# KiCad board keyball61_right.kicad_pcb (continued)
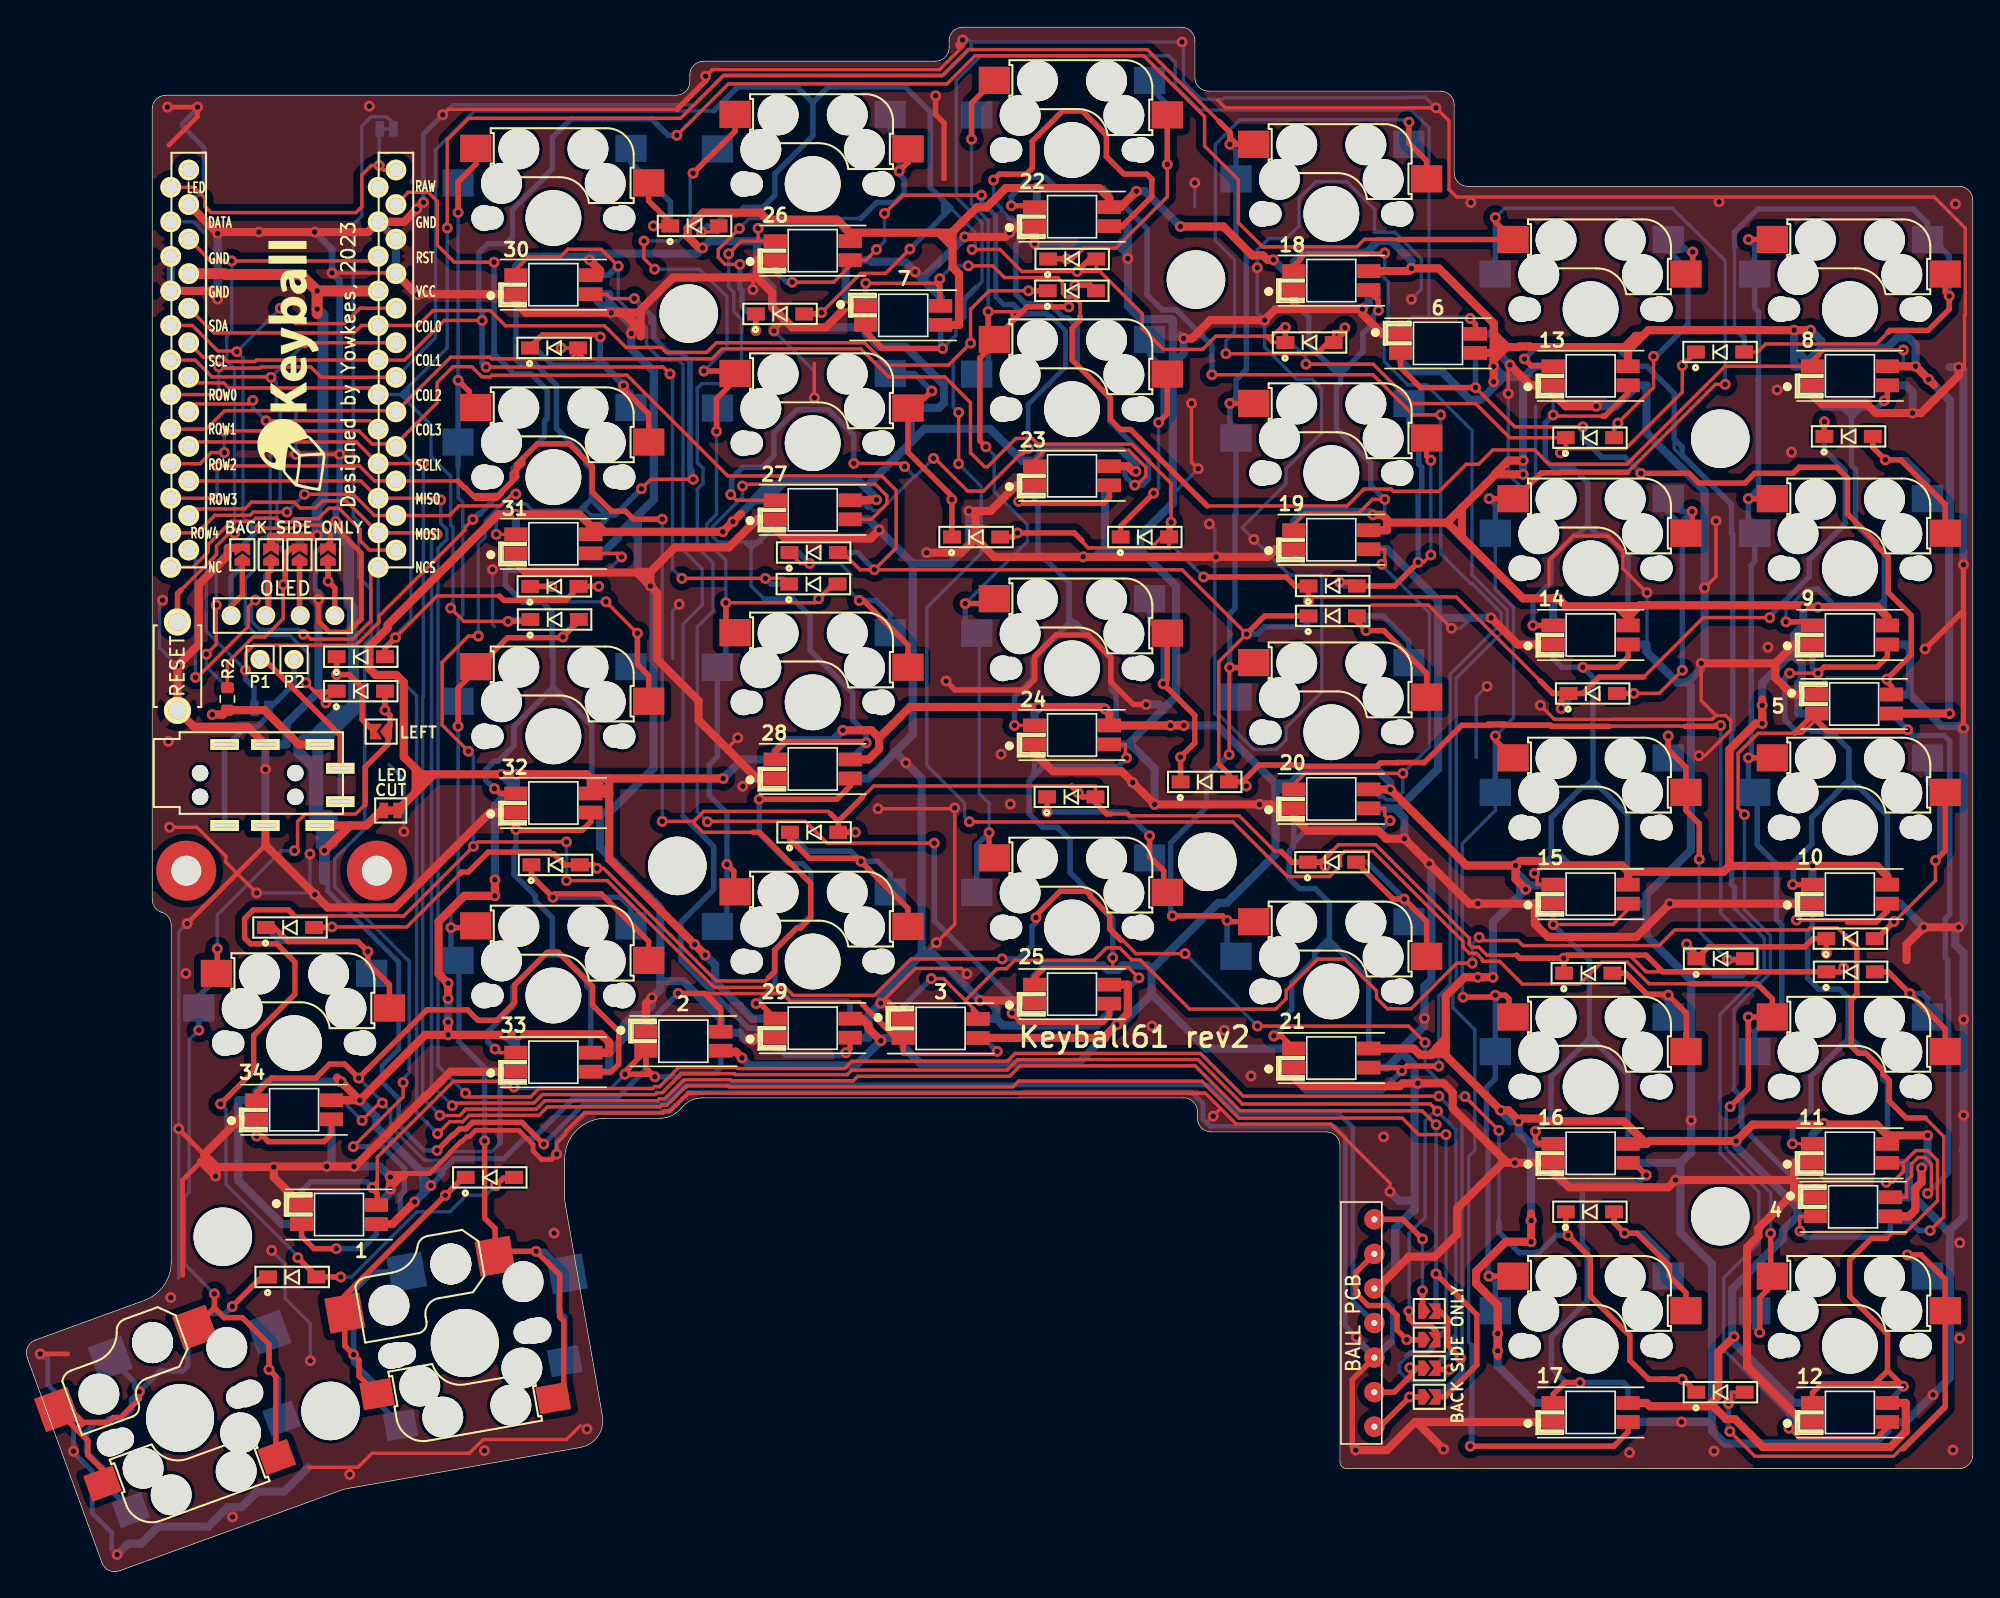
[diagram p0: board, top side]
## Routing (per net, layer and track width the routed paths; a pad name or vN(x,y) marks a point on that pad's centre or on a via; arc(x,y) is an arc through that point) (continued)
Net-(LED27-Pad2): length 55.7
  Top w0.25: v1(52.55,79.74) 52.67,79.86 62.31,79.86 63.16,79.02 63.16,78.44 62.01,77.29 27.2
  Top w0.4: v1(61.63,60.86) 61.54,60.95 55.65,60.95 54.95,60.25 28.4
  Bottom w0.25: 53.17,75.11 52.78,75.5 52.78,75.62 ; 53.17,75.11 53.2,75.11 53.7,75.62 ; 53.17,75.11 53.17,72.4 54.14,71.43 ; 53.17,75.11 53.17,75.62 ; 52.78,75.62 50.76,75.62 50.37,76.01 50.37,76.76 52.55,78.93 v1(52.55,79.74) ; 52.78,75.62 53.17,75.62 ; 53.95,75.62 53.7,75.62 ; 53.7,75.62 53.17,75.62
  Bottom w0.4: 54.14,71.43 56.27,71.43 57.5,70.2 57.5,67.66 60.64,64.53 60.64,62.52 60.67,62.52 61.63,61.56 v1(61.63,60.86) 61.63,60.81 28.4 ; 27.2 54.95,76.87 53.62,75.53
Net-(LED28-Pad2): length 43.9
  Top w0.25: 53.48,41.76 v1(53.55,41.69) 53.74,41.5 53.78,41.5
  Top w0.4: 28.2 60.45,57.69 59.48,56.72 v1(53.78,56.72) ; 29.4 53.85,41.69 v1(53.55,41.69)
  Bottom w0.25: v1(53.55,41.69) 54.84,42.98 54.87,42.98 ; 55.3,45.93 56.62,47.25 ; 28.2 53.78,58.24 v1(53.78,56.72) ; 29.4 60.45,41
  Bottom w0.4: 55.45,42.55 54.93,43.07 54.93,43.08 ; 55.45,42.55 55.41,42.51 54.36,42.51 ; 55.45,42.55 56.09,41.91 59.03,41.91 59.04,41.9 60.23,41.9 60.45,41.68 29.4 ; 54.93,43.08 54.93,45.64 56.54,47.25 56.62,47.25 57.56,48.19 57.56,51.37 56.95,51.98 55.96,51.98 53.78,54.16 v1(53.78,56.72) ; 54.93,43.08 v1(53.55,41.69)
Net-(LED29-Pad2): length 87.1
  Top w0.25: 30.4 35.9,95.66 36.83,96.58 39.15,96.58 39.71,97.14 42.17,97.14 v1(43.41,95.9)
  Top w0.4: 29.2 60.45,38.4 v1(60.14,38.08)
  Bottom w0.25: 48.17,55.49 48.17,69.58 49.58,70.99 49.58,73.63 48.17,75.04 48.17,88.67 47.85,88.99 46.59,88.99 45.5,90.09 45.5,91.34 43.41,93.43 v1(43.41,95.9) 43.24,95.9 42.58,95.24 30.4
  Bottom w0.4: v1(60.14,38.08) 59.89,38.08 59.69,37.88 55.71,37.88 54.95,38.64 29.2 54.28,39.19 53.58,39.89 52.97,39.89 48.02,44.84 48.02,47.68 50.43,50.09 50.43,53.23 48.17,55.49 ; 30.4 42.75,95.24 v1(43.41,95.9)
Net-(LED30-Pad2): length 76.2
  Top w0.25: 31.4 v1(34.45,76.19) ; v1(44.6,93.52) 42.9,93.52 42.58,93.84 30.2 ; v1(48.92,80.23) 45.81,80.23 v1(45.12,79.54)
  Bottom w0.25: v1(44.6,93.52) 45.75,92.37 45.75,91.73 46.08,91.4 46.08,90.57 47.1,89.54 47.94,89.54 48.62,88.86 48.62,81.19 48.92,80.89 v1(48.92,80.23) ; v1(34.45,76.19) 34.45,77.34 35.54,78.43 36.63,78.43 37.09,77.97 41.04,77.97 41.4,77.6 42.58,77.6
  Bottom w0.4: 41.45,78.78 41.45,78.73 42.58,77.6 ; 41.45,78.78 41.04,78.37 41.03,78.37 40.63,77.97 ; 41.45,78.78 41.45,80.95 41.04,81.36 41.04,81.63 40.56,82.11 40.56,82.28 38.88,83.96 38.88,87.16 37.3,88.74 36.2,88.74 35.88,89.06 35.88,90.68 35.9,90.71 30.2 ; v1(44.6,93.52) 46.02,92.09 46.02,90.64 47.15,89.51 48.07,89.51 48.7,88.89 48.7,80.46 v1(48.92,80.23) ; v1(45.12,79.54) 43.18,77.6 42.58,77.6 ; 42.58,77.6 42.58,77.36 31.4
Net-(LED31-Pad2): length 53.6
  Top w0.25: 31.2 41.42,74.79 ; 31.2 41.4,74.41 ; 31.2 43.39,74.79 v1(43.66,74.52)
  Top w0.4: 32.4 34.73,57.14 34.38,57.49 v1(34.32,57.49)
  Bottom w0.25: 43.68,74.55 v1(43.66,74.52) 42.6,73.47 35.13,73.47 ; 38.63,64.77 38.63,69.97 ; 35.51,60.26 35.06,59.81 ; 36.41,71.19 37.4,71.19
  Bottom w0.4: 38.63,67.71 38.63,64.94 ; 38.63,64.94 38.07,64.38 ; 38.63,64.94 38.68,64.94 39.27,64.35 ; v1(34.32,57.49) 33.69,58.12 33.69,58.9 34.29,59.5 34.59,59.5 35.29,60.2 35.31,60.2 35.75,60.65 35.75,62.07 38.07,64.38 ; 38.07,64.38 39.24,64.38 39.27,64.35 ; 31.2 35.9,74.24 35.13,73.47 35.13,72.46 36.41,71.19 37.84,71.19 38.55,70.48 38.55,67.2 38.63,67.12 ; 39.27,64.35 41.47,62.15 41.47,57.21 32.4
Net-(LED32-Pad2): length 41.2
  Top w0.25: 33.4 34.73,38.09 34.47,38.35 v1(34.37,38.35) ; 32.2 41.4,55.35
  Top w0.4: 32.2 41.4,55.07 40.76,54.43 35.96,54.43 v1(35.9,54.49)
  Bottom w0.25: v1(35.9,54.49) 35.9,53.87 ; 38.58,45.26 38.09,45.26
  Bottom w0.4: 33.4 41.4,42.69 41.1,42.99 41.1,43.46 39.31,45.26 ; 38.58,45.7 39.02,45.26 39.31,45.26 ; 38.58,45.7 38.14,45.26 38,45.26 ; 38.58,45.7 38.58,47.99 37.33,49.24 37.33,49.61 35.76,51.18 35.76,52.99 35.9,53.13 v1(35.9,54.49) 32.2 ; 38.58,45.7 38.58,45.26 ; 39.31,45.26 38.58,45.26 ; 38.58,45.26 38,45.26 ; 38,45.26 35.66,42.92 35.66,41.44 33.83,39.61 33.83,38.89 v1(34.37,38.35)
Net-(LED33-Pad2): length 73.6
  Top w0.25: 18.11,36.22 20.92,36.22 ; v1(24.6,33.1) 25.88,34.38 v1(26.09,34.38) ; 29.5,41.23 32.34,41.23
  Top w0.4: 17.93,36.22 21.2,36.22 22.22,37.25 23.32,37.25 v1(24.35,36.22) 29.36,41.23 ; 17.93,36.22 16.85,35.14 34.4 ; 17.93,36.22 18.11,36.22 ; 29.36,41.23 32.34,41.23 33.1,40.47 34.5,40.47 35.81,41.78 35.81,43.08 38.19,45.46 39.02,45.46 41.53,42.95 41.53,41.57 43.45,39.65 43.45,37.23 42.91,36.69 33.2 ; 29.36,41.23 29.5,41.23
  Bottom w0.25: 34.4 23.53,34.59 23.53,34.17 v1(24.6,33.1) ; v1(24.35,36.22) 26.09,34.48 v1(26.09,34.38) 26.69,33.78 26.69,32.66 29.17,30.17 30.45,30.17 31.1,30.82 31.1,30.82 34.12,30.82 34.73,31.42 34.73,31.68
  Bottom w0.4: 33.2 35.18,36.69 34.73,36.23 34.73,32.03 ; 34.73,32.03 34.73,31.68 ; 34.73,32.03 34.73,31.42
Net-(LED34-Pad2): length 8.2
  Top w0.4: v1(16.85,31.95) 17.3,31.95 17.7,31.55 21.8,31.55 22.35,32.1 34.2
  Bottom w0.25: 34.2 v1(16.85,31.95)
Net-(U1-Pad12): length 20.7
  Top w0.25: U1.12 12.17,73.76 13.29,74.88 13.29,75.43 15,77.14 16.56,77.14 16.8,77.38 18.3,77.38 18.58,77.1 19.38,77.1 19.62,77.34 21.37,77.34 22.14,78.11 22.88,78.11 24.45,76.55 24.45,75.73 25.15,75.03 U1.12
Net-(U1-Pad24): length 0.8
  Top w0.25: 25.78,101.43 U1.24 25.78,101.43 ; 25.78,101.43 25.78,101.15

## Copper pours and planes (outline as drawn; the poured copper is in the pictures)
GND on Top: 167.94,-16.26 -19.29,-17.16 -20.47,121.33 -19.83,123.68 168.89,124.23
GND on Top: -19.35,124.72 168.89,124.72 168.16,-17.4 -17.99,-16.68 -20,124.72 -20,124.72 -20.01,124.89
GND on Bottom: 167.6,-17.69 -19.29,-17.33 -20.2,122.79 -20.57,123.91 168.88,123.96
GND on Bottom: 169.07,124.34 167.97,-17.36 -18.36,-17.54 -20.56,123.68 -19.65,124.52

## Text on the board
B.Silkscreen: Designed by Yowkees, 2023 | Keyball61 rev2
F.Silkscreen: Designed by Yowkees, 2023 | Keyball61 rev2
